# KiCad board pcb.kicad_pcb (continued)
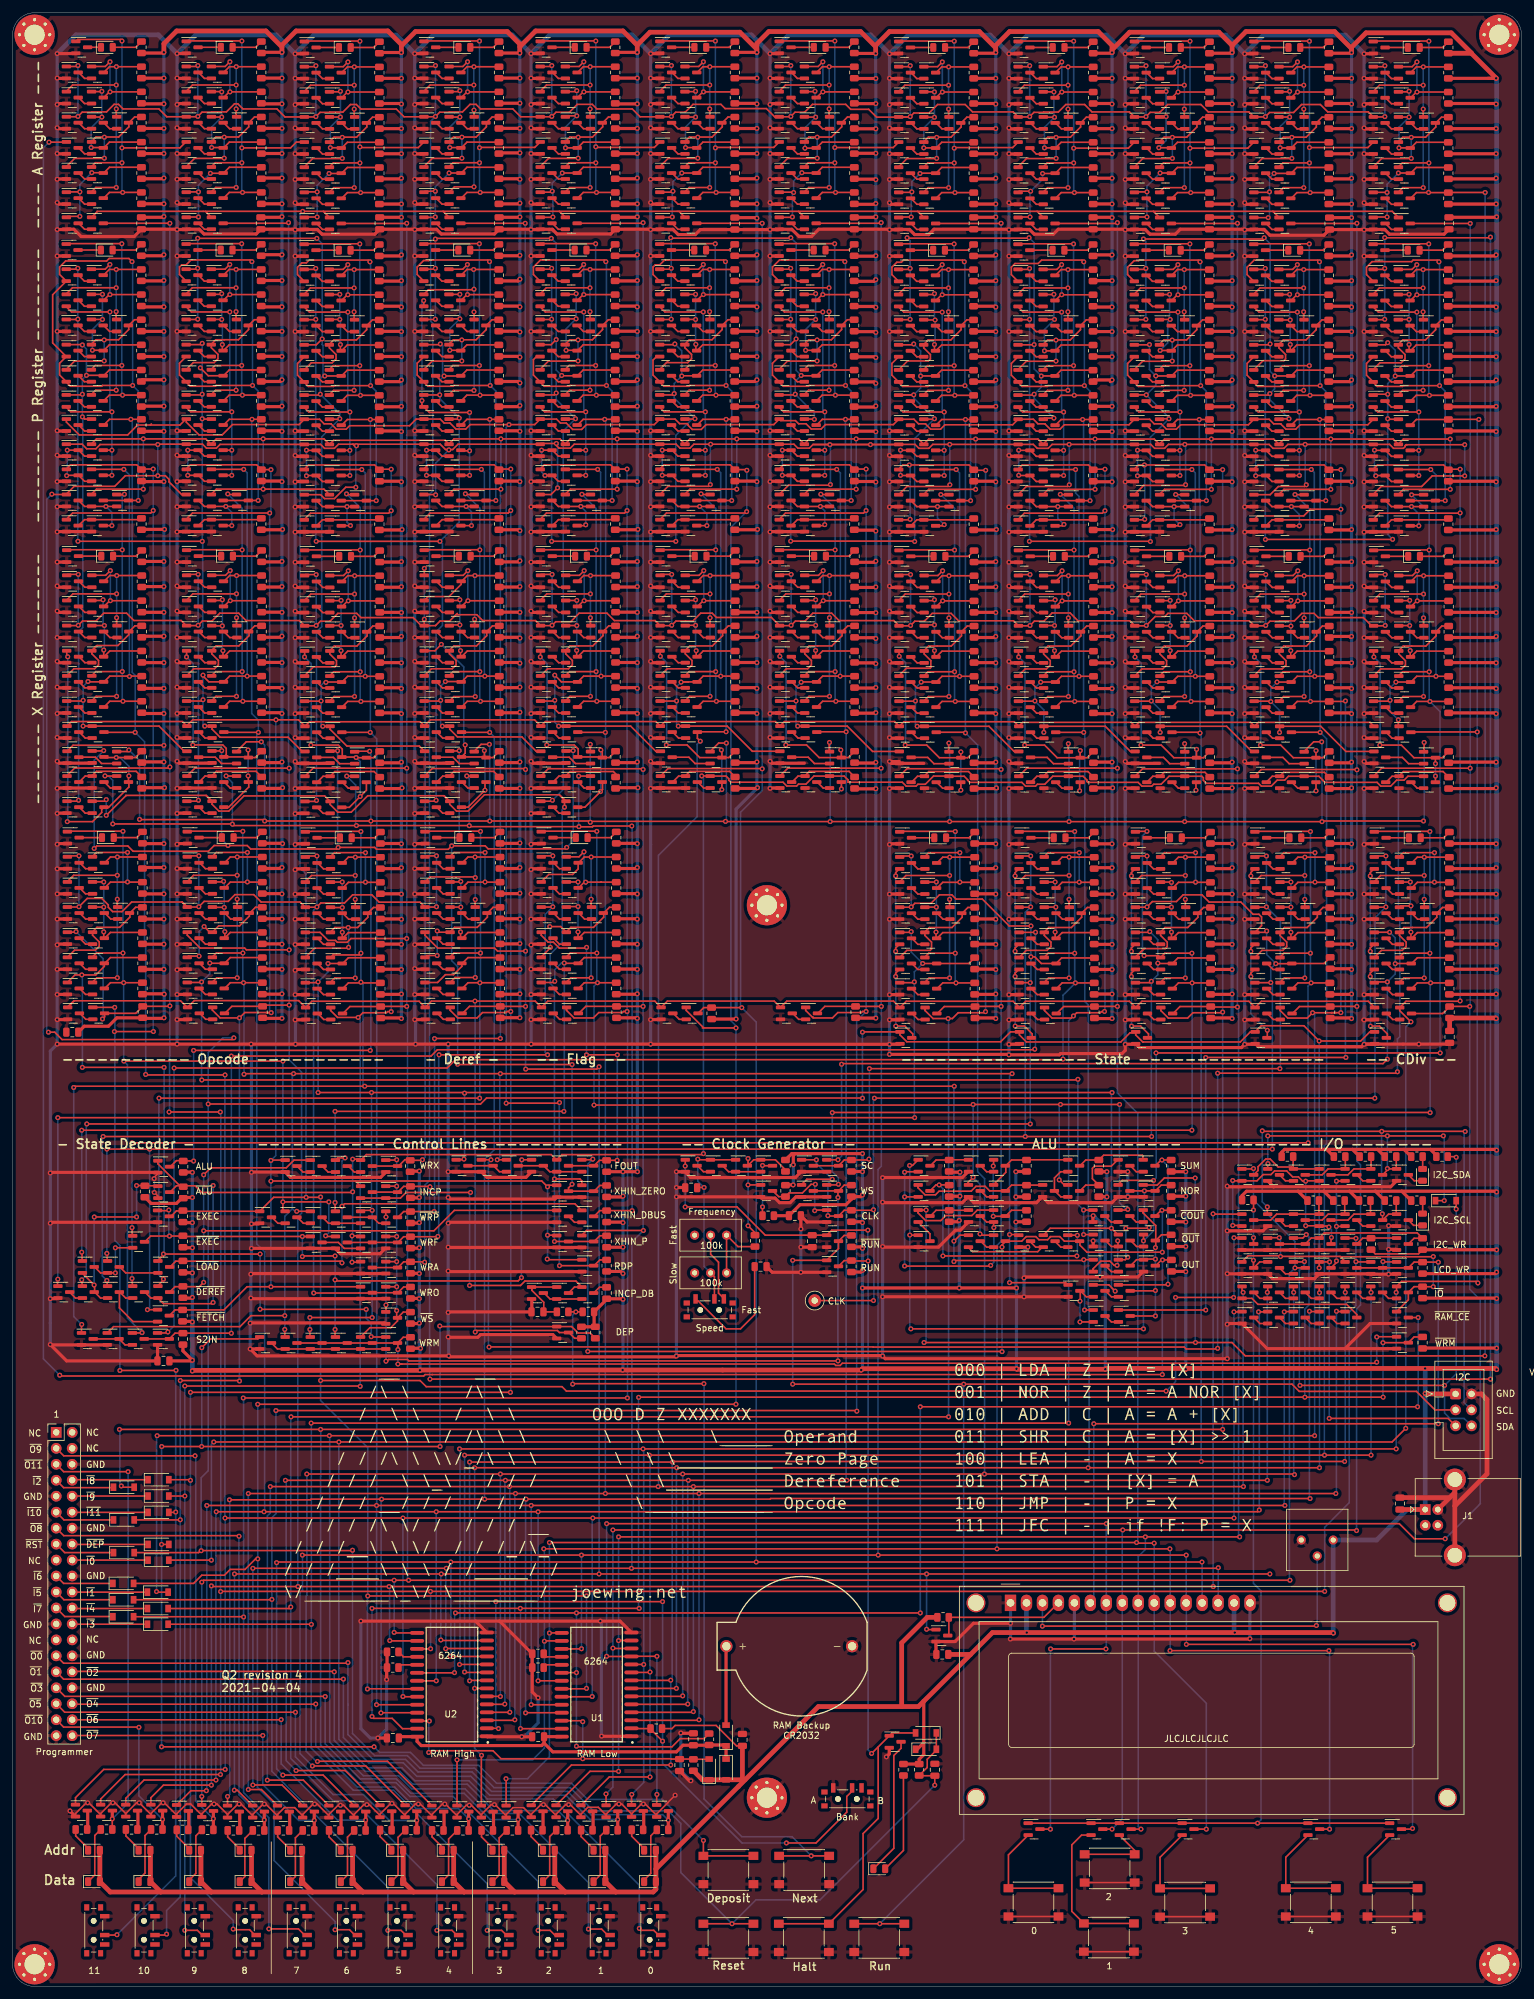
[diagram p0: board, top side]
## Routing (per net, layer and track width the routed paths; a pad name or vN(x,y) marks a point on that pad's centre or on a via; arc(x,y) is an arc through that point) (continued)
  Top w0.25: 142.9,240.4 143.85,239.45 144.9,239.45 ; 144.9,243.45 143.85,243.45 142.9,244.4 ; v1(141.25,240.43) 141.28,240.4 Q232.3 ; v1(141.25,244.43) 141.28,244.4 Q231.3
  Bottom w0.25: v1(141.25,244.43) v1(141.25,240.43)
Net-(Q229-Pad2): length 11.1
  Top w0.25: 148.9,235.45 v1(147.13,235.45) 143.85,235.45 142.9,236.4 ; Q234.3 148.02,232.4 v1(148.2,232.58)
  Bottom w0.25: v1(147.13,235.45) 147.13,233.65 v1(148.2,232.58)
Net-(Q234-Pad1): length 10.2
  Top w0.25: 152.69,233.35 143.85,233.35 142.9,232.4
Net-(Q236-Pad1): length 39.6
  Top w0.25: v1(148.88,266.44) 148.88,265.19 ; 144.88,253.19 145.63,253.94 v1(148.88,253.94) ; 146.88,272.24 147.79,273.15 v1(148.89,273.15) R100.2 ; v1(148.88,270.24) 141.93,270.24 140.88,269.19
  Bottom w0.25: v1(148.88,253.94) v1(148.88,266.44) v1(148.88,270.24) 148.88,273.14 v1(148.89,273.15)
Net-(Q236-Pad2): length 2.4
  Top w0.25: 144.88,251.29 143.83,251.29 142.88,252.24
Net-(Q237-Pad1): length 18.9
  Top w0.25: 146.88,260.24 147.79,261.15 R102.2 ; v1(146.75,265.14) 144.99,265.14 ; v1(146.65,261.24) 146.65,260.41 ; v1(146.65,269.33) 146.51,269.19 Q237.1
  Bottom w0.25: v1(146.65,269.33) 146.65,265.24 v1(146.75,265.14) 146.75,261.34 v1(146.65,261.24)
Net-(Q237-Pad2): length 2.4
  Top w0.25: 142.88,268.24 143.83,267.29 144.88,267.29
Net-(Q237-Pad3): length 14.5
  Top w0.25: v1(147.88,273.94) 147.13,273.19 144.88,273.19 ; R97.2 v1(147.89,269.15) 147.79,269.15 146.88,268.24
  Bottom w0.25: v1(147.88,273.94) 147.88,269.17 v1(147.89,269.15)
Net-(Q241-Pad2): length 2.4
  Top w0.25: 144.88,255.29 143.83,255.29 142.88,256.24
Net-(Q242-Pad2): length 2.4
  Top w0.25: 142.88,272.24 143.83,271.29 144.88,271.29
Net-(Q243-Pad1): length 18.5
  Top w0.25: R101.2 151.79,265.15 150.88,264.24 150.88,263.59 149.25,261.97 145.66,261.97 144.88,261.19 ; Q243.1 142.38,258.63 145.69,258.63 146.01,258.94 146.01,259.64 144.94,260.71 Q248.1
Net-(Q245-Pad2): length 2.4
  Top w0.25: 148.88,263.29 147.83,263.29 146.88,264.24
Net-(Q246-Pad2): length 2.4
  Top w0.25: 142.88,264.24 143.83,263.29 144.88,263.29
Net-(Q248-Pad2): length 2.4
  Top w0.25: 144.88,259.29 143.83,259.29 142.88,260.24
Net-(Q250-Pad2): length 2.4
  Top w0.25: 144.9,279.55 143.85,279.55 142.9,280.5
Net-(Q252-Pad1): length 39.6
  Top w0.25: 146.9,304.5 147.81,305.41 v1(148.91,305.41) R107.2 ; 140.9,301.45 141.95,302.5 v1(148.9,302.5) ; v1(148.9,298.7) 148.9,297.45 ; v1(148.9,286.2) 145.65,286.2 144.9,285.45
  Bottom w0.25: v1(148.9,286.2) v1(148.9,298.7) v1(148.9,302.5) 148.9,305.4 v1(148.91,305.41)
Net-(Q252-Pad2): length 2.4
  Top w0.25: 142.9,284.5 143.85,283.55 144.9,283.55
Net-(Q253-Pad1): length 21.2
  Top w0.25: R109.2 147.81,293.41 146.9,292.5 ; v1(144.95,292.53) 146.81,292.53 ; v1(146.65,301.43) 146.63,301.45 Q253.1 ; v1(146.65,297.4) 145.01,297.4
  Bottom w0.25: v1(144.95,292.53) 144.95,295.7 v1(146.65,297.4) v1(146.65,301.43)
Net-(Q253-Pad2): length 2.4
  Top w0.25: 142.9,300.5 143.85,299.55 144.9,299.55
Net-(Q253-Pad3): length 14.5
  Top w0.25: 146.9,300.5 147.81,301.41 v1(147.91,301.41) R104.2 ; v1(147.9,306.2) 147.15,305.45 144.9,305.45
  Bottom w0.25: v1(147.9,306.2) 147.9,301.42 v1(147.91,301.41)
Net-(Q257-Pad2): length 2.4
  Top w0.25: 144.9,287.55 143.85,287.55 142.9,288.5
Net-(Q258-Pad2): length 2.4
  Top w0.25: 142.9,304.5 143.85,303.55 144.9,303.55
Net-(Q259-Pad1): length 20.1
  Top w0.25: 140.9,289.45 142.27,290.82 146.96,290.82 v1(147,290.86) ; 147.03,294.22 149.28,294.22 150.9,295.85 150.9,296.5 151.81,297.41 R108.2 ; 147.03,294.22 v1(147,294.2) ; 147.03,294.22 145.68,294.22 144.9,293.45
  Bottom w0.25: v1(147,294.2) v1(147,290.86)
Net-(Q261-Pad2): length 2.4
  Top w0.25: 146.9,296.5 147.85,295.55 148.9,295.55
Net-(Q262-Pad2): length 2.4
  Top w0.25: 144.9,295.55 143.85,295.55 142.9,296.5
Net-(Q264-Pad2): length 2.4
  Top w0.25: 142.9,292.5 143.85,291.55 144.9,291.55
Net-(Q266-Pad2): length 2.3
  Top w0.25: 148.9,190.65 147.95,190.65 147,191.6
Net-(Q267-Pad2): length 2.4
  Top w0.25: 143,199.55 143.95,198.6 145,198.6
Net-(Q268-Pad2): length 6.4
  Top w0.25: 143,195.55 145.57,195.55 146.57,194.55 ; 146.54,194.55 148.9,194.55
Net-(Q269-Pad3): length 11
  Top w0.25: 143,191.6 143.95,192.55 145,192.55 145.75,193.29 152.06,193.29 R111.2
Net-(Q273-Pad1): length 39.6
  Top w0.25: v1(148.95,221.54) 142,221.54 140.95,220.49 ; R116.2 v1(148.96,224.45) 147.86,224.45 146.95,223.54 ; 144.95,204.49 145.7,205.24 v1(148.95,205.24) ; v1(148.95,217.74) 148.95,216.49
  Bottom w0.25: v1(148.96,224.45) 148.95,224.44 v1(148.95,221.54) v1(148.95,217.74) v1(148.95,205.24)
Net-(Q273-Pad2): length 2.4
  Top w0.25: 142.95,203.54 143.9,202.59 144.95,202.59
Net-(Q274-Pad1): length 18.8
  Top w0.25: 146.95,211.54 147.86,212.45 R118.2 ; v1(146.65,212.54) 146.65,211.77 Q285.3 ; Q274.1 146.51,220.49 v1(146.65,220.63) ; v1(146.65,216.63) 145.15,216.63
  Bottom w0.25: v1(146.65,220.63) v1(146.65,216.63) v1(146.65,212.54)
Net-(Q274-Pad2): length 2.4
  Top w0.25: 142.95,219.54 143.9,218.59 144.95,218.59
Net-(Q274-Pad3): length 14.5
  Top w0.25: 144.95,224.49 147.2,224.49 v1(147.95,225.24) ; 146.95,219.54 147.86,220.45 v1(147.96,220.45) R113.2
  Bottom w0.25: v1(147.96,220.45) 147.95,220.46 v1(147.95,225.24)
Net-(Q278-Pad2): length 2.4
  Top w0.25: 144.95,206.59 143.9,206.59 142.95,207.54
Net-(Q279-Pad2): length 2.4
  Top w0.25: 144.95,222.59 143.9,222.59 142.95,223.54
Net-(Q280-Pad1): length 18.8
  Top w0.25: 147.08,213.26 145.73,213.26 144.95,212.49 ; 147.08,213.26 149.32,213.26 150.95,214.89 150.95,215.54 151.86,216.45 R117.2 ; 147.08,213.26 147.05,213.24 ; 140.95,208.49 142.19,209.73 145.95,209.73 146.08,209.85 146.08,210.94 145.01,212 Q285.1
Net-(Q282-Pad2): length 2.4
  Top w0.25: 146.95,215.54 147.9,214.59 148.95,214.59
Net-(Q283-Pad2): length 2.4
  Top w0.25: 142.95,215.54 143.9,214.59 144.95,214.59
Net-(Q285-Pad2): length 2.4
  Top w0.25: 142.95,211.54 143.9,210.59 144.95,210.59
Net-(Q287-Pad1): length 39.6
  Top w0.25: 145.06,159.71 145.81,160.46 v1(149.06,160.46) ; v1(149.06,172.96) 149.06,171.71 ; 141.06,175.71 142.11,176.76 v1(149.06,176.76) ; R123.2 v1(149.07,179.67) 147.97,179.67 147.06,178.76
  Bottom w0.25: v1(149.07,179.67) 149.06,179.66 v1(149.06,176.76) v1(149.06,172.96) v1(149.06,160.46)
Net-(Q287-Pad2): length 2.4
  Top w0.25: 145.06,157.81 144.01,157.81 143.06,158.76
Net-(Q288-Pad1): length 18.9
  Top w0.25: 147.06,166.76 147.97,167.67 R125.2 ; Q288.1 146.93,175.71 v1(146.95,175.73) ; v1(146.95,171.73) 145.14,171.73 ; v1(146.9,167.76) 146.9,166.85
  Bottom w0.25: v1(146.95,175.73) v1(146.95,171.73) 146.95,167.81 v1(146.9,167.76)
Net-(Q288-Pad2): length 2.4
  Top w0.25: 143.06,174.76 144.01,173.81 145.06,173.81
Net-(Q288-Pad3): length 17.1
  Top w0.25: 150.67,175.67 150.67,175.68 v1(150.69,175.7) 150.66,175.7 150.63,175.67 ; 150.67,175.67 R120.2 ; 150.67,175.67 150.63,175.67 ; 147.06,174.76 147.97,175.67 150.63,175.67 ; v1(150.69,180.39) 145.75,180.39 145.06,179.71
  Bottom w0.25: v1(150.69,175.7) v1(150.69,180.39)
Net-(Q292-Pad2): length 2.4
  Top w0.25: 145.06,161.81 144.01,161.81 143.06,162.76
Net-(Q293-Pad2): length 2.4
  Top w0.25: 143.06,178.76 144.01,177.81 145.06,177.81
Net-(Q294-Pad1): length 18.7
  Top w0.25: 145.06,167.71 145.84,168.48 149.44,168.48 151.06,170.11 151.06,170.76 151.97,171.67 R124.2 ; Q294.1 142.26,164.84 145.97,164.84 146.19,165.06 146.19,166.16 145.12,167.22 Q299.1
Net-(Q296-Pad2): length 2.4
  Top w0.25: 149.06,169.81 148.01,169.81 147.06,170.76
Net-(Q297-Pad2): length 2.4
  Top w0.25: 143.06,170.76 144.01,169.81 145.06,169.81
Net-(Q299-Pad2): length 2.4
  Top w0.25: 143.06,166.76 144.01,165.81 145.06,165.81
Net-(Q303-Pad2): length 6.4
  Top w0.25: 112.95,130.58 113.9,129.63 118.95,129.63
Net-(Q303-Pad3): length 22.4
  Top w0.25: 118.2,119.83 v1(117,121.03) ; v1(117,131.73) 117,130.63 ; Q304.1 121.35,131.53 122.95,129.92 ; 118.95,131.53 117.9,131.53 116.95,130.58 ; v1(117,127.53) 118.95,127.53
  Bottom w0.25: v1(117,121.03) v1(117,127.53) v1(117,131.73)
Net-(Q304-Pad3): length 9.6
  Top w0.25: Q304.3 119.35,130.58 v1(119.3,130.63) ; v1(119.3,124.03) 119.29,124.01 R132.1
  Bottom w0.25: v1(119.3,130.63) v1(119.3,124.03)
Net-(Q305-Pad3): length 14.1
  Top w0.25: v1(127.6,123.43) 127.7,123.53 129.45,123.53 ; 120.95,126.58 121.86,125.66 R129.2 123.54,126.25 125.65,126.25 127.02,127.63 v1(127.7,127.63)
  Bottom w0.25: v1(127.6,123.43) 127.6,127.53 v1(127.7,127.63)
Net-(Q307-Pad2): length 2.4
  Top w0.25: 110.95,129.63 109.9,129.63 108.95,130.58
Net-(Q314-Pad2): length 2.4
  Top w0.25: 48.55,154.8 49.5,153.85 50.55,153.85
Net-(Q316-Pad2): length 2.4
  Top w0.25: 48.35,248.4 49.3,247.45 50.35,247.45
Net-(Q318-Pad2): length 12
  Top w0.25: 48.35,244.4 49.3,243.45 50.35,243.45 ; 48.35,240.4 49.3,239.45 50.35,239.45 ; Q323.3 46.8,240.4 v1(46.75,240.35) ; Q322.3 46.78,244.4 v1(46.75,244.43)
  Bottom w0.25: v1(46.75,240.35) v1(46.75,244.43)
Net-(Q320-Pad2): length 11
  Top w0.25: 48.35,236.4 49.3,235.45 v1(53.2,235.45) 54.35,235.45 ; v1(53.75,232.43) 52.38,232.43
  Bottom w0.25: v1(53.75,232.43) 53.2,232.98 v1(53.2,235.45)
Net-(Q325-Pad1): length 10.2
  Top w0.25: 48.35,232.4 49.3,233.35 58.14,233.35
Net-(Q327-Pad1): length 39.6
  Top w0.25: 52.33,272.24 53.24,273.15 v1(54.34,273.15) R144.2 ; v1(54.33,253.94) 51.08,253.94 50.33,253.19 ; v1(54.33,266.44) 54.33,265.19 ; 46.33,269.19 47.38,270.24 v1(54.33,270.24)
  Bottom w0.25: v1(54.33,253.94) v1(54.33,266.44) v1(54.33,270.24) 54.33,273.14 v1(54.34,273.15)
Net-(Q327-Pad2): length 2.4
  Top w0.25: 48.33,252.24 49.28,251.29 50.33,251.29
Net-(Q328-Pad1): length 18.6
  Top w0.25: 52.33,260.24 53.24,261.15 R146.2 ; v1(52.05,265.23) 50.43,265.23 ; v1(52.05,269.23) 52.02,269.19 Q328.1 ; v1(52.15,261.23) 52.15,260.36
  Bottom w0.25: v1(52.15,261.23) 52.15,265.13 v1(52.05,265.23) v1(52.05,269.23)
Net-(Q328-Pad2): length 2.4
  Top w0.25: 48.33,268.24 49.28,267.29 50.33,267.29
Net-(Q328-Pad3): length 14.5
  Top w0.25: 52.33,268.24 53.24,269.15 v1(53.34,269.15) R141.2 ; v1(53.33,273.94) 52.58,273.19 50.33,273.19
  Bottom w0.25: v1(53.33,273.94) 53.33,269.17 v1(53.34,269.15)
Net-(Q332-Pad2): length 2.4
  Top w0.25: 48.33,256.24 49.28,255.29 50.33,255.29
Net-(Q333-Pad2): length 2.4
  Top w0.25: 48.33,272.24 49.28,271.29 50.33,271.29
Net-(Q334-Pad1): length 18.5
  Top w0.25: R145.2 57.24,265.15 56.33,264.24 56.33,263.59 54.7,261.97 51.11,261.97 50.33,261.19 ; Q339.1 50.39,260.71 51.46,259.64 51.46,258.94 50.84,258.33 47.53,258.33 Q334.1
Net-(Q336-Pad2): length 2.4
  Top w0.25: 52.33,264.24 53.28,263.29 54.33,263.29
Net-(Q337-Pad2): length 2.4
  Top w0.25: 48.33,264.24 49.28,263.29 50.33,263.29
Net-(Q339-Pad2): length 2.4
  Top w0.25: 48.33,260.24 49.28,259.29 50.33,259.29
Net-(Q341-Pad2): length 2.4
  Top w0.25: 48.35,280.5 49.3,279.55 50.35,279.55
Net-(Q343-Pad1): length 39.6
  Top w0.25: 52.35,304.5 53.26,305.41 v1(54.36,305.41) R151.2 ; v1(54.35,286.2) 51.1,286.2 50.35,285.45 ; v1(54.35,298.7) 54.35,297.45 ; 46.35,301.45 47.4,302.5 v1(54.35,302.5)
  Bottom w0.25: v1(54.35,286.2) v1(54.35,298.7) v1(54.35,302.5) 54.35,305.4 v1(54.36,305.41)
Net-(Q343-Pad2): length 2.4
  Top w0.25: 48.35,284.5 49.3,283.55 50.35,283.55
Net-(Q344-Pad1): length 21.2
  Top w0.25: 52.35,292.5 53.26,293.41 R153.2 ; v1(52.15,297.43) 50.43,297.43 ; Q344.1 52.07,301.45 v1(52.15,301.53) ; v1(50.55,292.55) 52.24,292.55
  Bottom w0.25: v1(52.15,301.53) v1(52.15,297.43) 50.55,295.83 v1(50.55,292.55)
Net-(Q344-Pad2): length 2.4
  Top w0.25: 48.35,300.5 49.3,299.55 50.35,299.55
Net-(Q344-Pad3): length 14.5
  Top w0.25: 52.35,300.5 53.26,301.41 v1(53.36,301.41) R148.2 ; v1(53.35,306.2) 52.6,305.45 50.35,305.45
  Bottom w0.25: v1(53.35,306.2) 53.35,301.42 v1(53.36,301.41)
Net-(Q348-Pad2): length 2.4
  Top w0.25: 48.35,288.5 49.3,287.55 50.35,287.55
Net-(Q349-Pad2): length 2.4
  Top w0.25: 48.35,304.5 49.3,303.55 50.35,303.55
Net-(Q350-Pad1): length 20.1
  Top w0.25: R152.2 57.26,297.41 56.35,296.5 56.35,295.85 54.72,294.22 52.48,294.22 ; 50.35,293.45 51.13,294.22 52.48,294.22 ; 52.48,294.22 v1(52.45,294.2) ; 46.35,289.45 47.72,290.82 52.41,290.82 v1(52.45,290.86)
  Bottom w0.25: v1(52.45,294.2) v1(52.45,290.86)
Net-(Q352-Pad2): length 2.4
  Top w0.25: 52.35,296.5 53.3,295.55 54.35,295.55
Net-(Q353-Pad2): length 2.4
  Top w0.25: 48.35,296.5 49.3,295.55 50.35,295.55
Net-(Q355-Pad2): length 2.4
  Top w0.25: 48.35,292.5 49.3,291.55 50.35,291.55
Net-(Q357-Pad2): length 2.3
  Top w0.25: 52.45,191.6 53.4,190.65 54.35,190.65
Net-(Q358-Pad2): length 2.4
  Top w0.25: 48.45,199.55 49.4,198.6 50.45,198.6
Net-(Q359-Pad2): length 2.4
  Top w0.25: 48.45,187.6 49.4,186.65 50.45,186.65
Net-(Q360-Pad2): length 6.4
  Top w0.25: 51.99,194.55 54.35,194.55 ; 52.03,194.55 51.03,195.55 48.45,195.55
Net-(Q362-Pad1): length 11
  Top w0.25: 48.45,191.6 49.4,192.55 50.45,192.55 ; Q362.1 51.26,193.29 57.51,193.29 R155.2
Net-(Q367-Pad1): length 39.6
  Top w0.25: 52.4,223.54 53.31,224.45 v1(54.41,224.45) R160.2 ; v1(54.4,205.24) 51.15,205.24 50.4,204.49 ; v1(54.4,217.74) 54.4,216.49 ; 46.4,220.49 47.45,221.54 v1(54.4,221.54)
  Bottom w0.25: v1(54.4,205.24) v1(54.4,217.74) v1(54.4,221.54) 54.4,224.44 v1(54.41,224.45)
Net-(Q367-Pad2): length 2.4
  Top w0.25: 48.4,203.54 49.35,202.59 50.4,202.59
Net-(Q368-Pad1): length 18.8
  Top w0.25: 52.4,211.54 53.31,212.45 R162.2 ; v1(52.25,212.53) 52.25,211.62 ; Q368.1 52.21,220.49 v1(52.25,220.53) ; v1(52.25,216.53) 50.5,216.53
  Bottom w0.25: v1(52.25,212.53) v1(52.25,216.53) v1(52.25,220.53)
Net-(Q368-Pad2): length 2.4
  Top w0.25: 48.4,219.54 49.35,218.59 50.4,218.59
Net-(Q368-Pad3): length 14.5
  Top w0.25: 52.4,219.54 53.31,220.45 v1(53.41,220.45) R157.2 ; v1(53.4,225.24) 52.65,224.49 50.4,224.49
  Bottom w0.25: v1(53.4,225.24) 53.4,220.46 v1(53.41,220.45)
Net-(Q372-Pad2): length 2.4
  Top w0.25: 48.4,207.54 49.35,206.59 50.4,206.59
Net-(Q373-Pad2): length 2.4
  Top w0.25: 48.4,223.54 49.35,222.59 50.4,222.59
Net-(Q374-Pad1): length 18.6
  Top w0.25: R161.2 57.31,216.45 56.4,215.54 56.4,214.89 54.78,213.26 51.18,213.26 50.4,212.49 ; 46.4,208.49 47.87,209.96 51.25,209.96 51.53,210.24 51.53,210.94 50.46,212 Q379.1
Net-(Q376-Pad2): length 2.4
  Top w0.25: 52.4,215.54 53.35,214.59 54.4,214.59
Net-(Q377-Pad2): length 2.4
  Top w0.25: 48.4,215.54 49.35,214.59 50.4,214.59
Net-(Q379-Pad2): length 2.4
  Top w0.25: 48.4,211.54 49.35,210.59 50.4,210.59
Net-(Q381-Pad1): length 39.6
  Top w0.25: 52.51,178.76 53.42,179.67 v1(54.52,179.67) R167.2 ; v1(54.51,160.46) 51.26,160.46 50.51,159.71 ; v1(54.51,172.96) 54.51,171.71 ; 46.51,175.71 47.56,176.76 v1(54.51,176.76)
  Bottom w0.25: v1(54.51,160.46) v1(54.51,172.96) v1(54.51,176.76) 54.51,179.66 v1(54.52,179.67)
Net-(Q381-Pad2): length 2.4
  Top w0.25: 48.51,158.76 49.46,157.81 50.51,157.81
Net-(Q382-Pad1): length 19.1
  Top w0.25: 52.51,166.76 53.42,167.67 R169.2 ; Q382.1 52.43,175.71 v1(52.45,175.73) ; v1(52.45,171.66) 50.62,171.66 ; v1(52.45,167.73) 52.45,166.76
  Bottom w0.25: v1(52.45,175.73) v1(52.45,171.66) v1(52.45,167.73)
Net-(Q382-Pad2): length 2.4
  Top w0.25: 48.51,174.76 49.46,173.81 50.51,173.81
Net-(Q382-Pad3): length 17.1
  Top w0.25: 52.51,174.76 53.42,175.67 56.08,175.67 ; 56.12,175.67 56.12,175.68 v1(56.14,175.7) 56.11,175.7 56.08,175.67 ; 56.12,175.67 R164.2 ; 56.12,175.67 56.08,175.67 ; 50.51,179.71 51.2,180.39 v1(56.14,180.39)
  Bottom w0.25: v1(56.14,175.7) v1(56.14,180.39)
Net-(Q386-Pad2): length 2.4
  Top w0.25: 48.51,162.76 49.46,161.81 50.51,161.81
Net-(Q387-Pad2): length 2.4
  Top w0.25: 48.51,178.76 49.46,177.81 50.51,177.81
Net-(Q388-Pad1): length 20.8
  Top w0.25: R168.2 57.42,171.67 56.51,170.76 56.51,170.11 54.89,168.48 v1(53.39,168.48) 52.64,168.48 ; 50.51,167.71 51.29,168.48 52.64,168.48 ; 52.64,168.48 52.61,168.46 ; v1(53.45,165.33) 53.3,165.18 48.05,165.18 Q388.1
  Bottom w0.25: v1(53.45,165.33) 53.45,168.43 v1(53.39,168.48)
Net-(Q390-Pad2): length 2.4
  Top w0.25: 52.51,170.76 53.46,169.81 54.51,169.81
Net-(Q391-Pad2): length 2.4
  Top w0.25: 48.51,170.76 49.46,169.81 50.51,169.81
Net-(Q393-Pad2): length 2.4
  Top w0.25: 48.51,166.76 49.46,165.81 50.51,165.81
Net-(Q395-Pad2): length 2.4
  Top w0.25: 164.1,153.85 163.05,153.85 162.1,154.8
Net-(Q398-Pad2): length 2.4
  Top w0.25: 161.9,248.4 162.85,247.45 163.9,247.45
Net-(Q400-Pad2): length 12.4
  Top w0.25: 163.9,239.45 162.85,239.45 161.9,240.4 ; 163.9,243.45 162.85,243.45 161.9,244.4 ; v1(160.05,240.43) 160.08,240.4 Q405.3 ; v1(160.05,244.43) 160.08,244.4 Q404.3
  Bottom w0.25: v1(160.05,240.43) v1(160.05,244.43)
Net-(Q402-Pad2): length 11.1
  Top w0.25: 167.9,235.45 v1(166.27,235.45) 162.85,235.45 161.9,236.4 ; 165.9,232.4 167.02,232.4 167.25,232.62 v1(167.25,232.62)
  Bottom w0.25: v1(166.27,235.45) 166.27,233.6 v1(167.25,232.62)
Net-(Q407-Pad1): length 10.2
  Top w0.25: 171.69,233.35 162.85,233.35 161.9,232.4
Net-(Q409-Pad1): length 39.6
  Top w0.25: v1(167.88,270.24) 160.93,270.24 159.88,269.19 ; R178.2 v1(167.89,273.15) 166.79,273.15 165.88,272.24 ; 163.88,253.19 164.63,253.94 v1(167.88,253.94) ; v1(167.88,266.44) 167.88,265.19
  Bottom w0.25: v1(167.89,273.15) 167.88,273.14 v1(167.88,270.24) v1(167.88,266.44) v1(167.88,253.94)
Net-(Q409-Pad2): length 2.4
  Top w0.25: 163.88,251.29 162.83,251.29 161.88,252.24
Net-(Q410-Pad1): length 21.2
  Top w0.25: 165.88,260.24 166.79,261.15 R180.2 ; Q410.1 165.62,269.19 v1(165.65,269.23) ; v1(164.15,260.23) 165.8,260.23 ; v1(165.75,265.23) 163.98,265.23
  Bottom w0.25: v1(164.15,260.23) 164.15,263.63 v1(165.75,265.23) 165.65,265.33 v1(165.65,269.23)
Net-(Q410-Pad2): length 2.4
  Top w0.25: 163.88,267.29 162.83,267.29 161.88,268.24
Net-(Q410-Pad3): length 14.5
  Top w0.25: v1(166.88,273.94) 166.13,273.19 163.88,273.19 ; R175.2 v1(166.89,269.15) 166.79,269.15 165.88,268.24
  Bottom w0.25: v1(166.88,273.94) 166.88,269.17 v1(166.89,269.15)
Net-(Q414-Pad2): length 2.4
  Top w0.25: 161.88,256.24 162.83,255.29 163.88,255.29
Net-(Q415-Pad2): length 2.4
  Top w0.25: 163.88,271.29 162.83,271.29 161.88,272.24
Net-(Q416-Pad1): length 20.1
  Top w0.25: R179.2 170.79,265.15 169.88,264.24 169.88,263.59 168.25,261.97 166.01,261.97 ; v1(165.98,258.6) 165.94,258.57 161.25,258.57 159.88,257.19 ; 166.01,261.97 v1(165.98,261.94) ; 166.01,261.97 164.66,261.97 163.88,261.19
  Bottom w0.25: v1(165.98,261.94) v1(165.98,258.6)
Net-(Q418-Pad2): length 2.4
  Top w0.25: 167.88,263.29 166.83,263.29 165.88,264.24
Net-(Q419-Pad2): length 2.4
  Top w0.25: 163.88,263.29 162.83,263.29 161.88,264.24
Net-(Q421-Pad2): length 2.4
  Top w0.25: 161.88,260.24 162.83,259.29 163.88,259.29
Net-(Q423-Pad2): length 2.4
  Top w0.25: 163.9,279.55 162.85,279.55 161.9,280.5
Net-(Q425-Pad1): length 39.6
  Top w0.25: 159.9,301.45 160.95,302.5 v1(167.9,302.5) ; v1(167.9,298.7) 167.9,297.45 ; v1(167.9,286.2) 164.65,286.2 163.9,285.45 ; R185.2 v1(167.91,305.41) 166.81,305.41 165.9,304.5
  Bottom w0.25: v1(167.91,305.41) 167.9,305.4 v1(167.9,302.5) v1(167.9,298.7) v1(167.9,286.2)
Net-(Q425-Pad2): length 2.4
  Top w0.25: 163.9,283.55 162.85,283.55 161.9,284.5
Net-(Q426-Pad1): length 21.1
  Top w0.25: R187.2 166.81,293.41 165.9,292.5 ; v1(165.65,301.43) 165.63,301.45 Q426.1 ; v1(164.15,292.53) 165.81,292.53 ; v1(165.75,297.4) 164.01,297.4
  Bottom w0.25: v1(165.65,301.43) 165.65,297.5 v1(165.75,297.4) 164.15,295.8 v1(164.15,292.53)
Net-(Q426-Pad2): length 2.4
  Top w0.25: 163.9,299.55 162.85,299.55 161.9,300.5
Net-(Q426-Pad3): length 14.5
  Top w0.25: 163.9,305.45 166.15,305.45 v1(166.9,306.2) ; 165.9,300.5 166.81,301.41 v1(166.91,301.41) R182.2
  Bottom w0.25: v1(166.9,306.2) 166.9,301.42 v1(166.91,301.41)
Net-(Q430-Pad2): length 2.4
  Top w0.25: 163.9,287.55 162.85,287.55 161.9,288.5
Net-(Q431-Pad2): length 2.4
  Top w0.25: 163.9,303.55 162.85,303.55 161.9,304.5
Net-(Q432-Pad1): length 20.1
  Top w0.25: 166.03,294.22 168.28,294.22 169.9,295.85 169.9,296.5 170.81,297.41 R186.2 ; 166.03,294.22 164.68,294.22 163.9,293.45 ; 166.03,294.22 v1(166,294.2) ; v1(166,290.86) 165.96,290.82 161.27,290.82 159.9,289.45
  Bottom w0.25: v1(166,294.2) v1(166,290.86)
Net-(Q434-Pad2): length 2.4
  Top w0.25: 165.9,296.5 166.85,295.55 167.9,295.55
Net-(Q435-Pad2): length 2.4
  Top w0.25: 161.9,296.5 162.85,295.55 163.9,295.55
Net-(Q437-Pad2): length 2.4
  Top w0.25: 163.9,291.55 162.85,291.55 161.9,292.5
Net-(Q439-Pad2): length 2.3
  Top w0.25: 166,191.6 166.95,190.65 167.9,190.65
Net-(Q440-Pad2): length 2.4
  Top w0.25: 164,198.6 162.95,198.6 162,199.55
Net-(Q441-Pad2): length 6.4
  Top w0.25: 162,195.55 164.58,195.55 165.58,194.55 Q441.2
Net-(Q442-Pad3): length 11
  Top w0.25: R189.2 171.06,193.29 164.75,193.29 164,192.55 162.95,192.55 162,191.6
Net-(Q446-Pad1): length 39.6
  Top w0.25: v1(167.95,221.54) 161,221.54 159.95,220.49 ; v1(167.95,217.74) 167.95,216.49 ; R194.2 v1(167.96,224.45) 166.86,224.45 165.95,223.54 ; 163.95,204.49 164.7,205.24 v1(167.95,205.24)
  Bottom w0.25: v1(167.96,224.45) 167.95,224.44 v1(167.95,221.54) v1(167.95,217.74) v1(167.95,205.24)
Net-(Q446-Pad2): length 2.4
  Top w0.25: 163.95,202.59 162.9,202.59 161.95,203.54
Net-(Q447-Pad1): length 19
  Top w0.25: 165.95,211.54 166.86,212.45 R196.2 ; Q447.1 165.71,220.49 v1(165.85,220.63) ; v1(165.75,212.53) 165.75,211.67 ; v1(165.75,216.53) 164.05,216.53
  Bottom w0.25: v1(165.75,212.53) v1(165.75,216.53) 165.85,216.63 v1(165.85,220.63)
Net-(Q447-Pad2): length 2.4
  Top w0.25: 163.95,218.59 162.9,218.59 161.95,219.54
Net-(Q447-Pad3): length 14.5
  Top w0.25: R191.2 v1(166.96,220.45) 166.86,220.45 165.95,219.54 ; 163.95,224.49 166.2,224.49 v1(166.95,225.24)
  Bottom w0.25: v1(166.96,220.45) 166.95,220.46 v1(166.95,225.24)
Net-(Q451-Pad2): length 2.4
  Top w0.25: 163.95,206.59 162.9,206.59 161.95,207.54
Net-(Q452-Pad2): length 2.4
  Top w0.25: 161.95,223.54 162.9,222.59 163.95,222.59
Net-(Q453-Pad1): length 18.6
  Top w0.25: 163.95,212.49 164.73,213.26 168.32,213.26 169.95,214.89 169.95,215.54 170.86,216.45 R195.2 ; 159.95,208.49 161.09,209.62 164.46,209.62 165.08,210.24 165.08,210.94 164.01,212 Q458.1
Net-(Q455-Pad2): length 2.4
  Top w0.25: 167.95,214.59 166.9,214.59 165.95,215.54
Net-(Q456-Pad2): length 2.4
  Top w0.25: 161.95,215.54 162.9,214.59 163.95,214.59
Net-(Q458-Pad2): length 2.4
  Top w0.25: 161.95,211.54 162.9,210.59 163.95,210.59
Net-(Q460-Pad1): length 39.6
  Top w0.25: R201.2 v1(168.07,179.67) 166.97,179.67 166.06,178.76 ; v1(168.06,176.76) 161.11,176.76 160.06,175.71 ; 164.06,159.71 164.81,160.46 v1(168.06,160.46) ; v1(168.06,172.96) 168.06,171.71
  Bottom w0.25: v1(168.06,160.46) v1(168.06,172.96) v1(168.06,176.76) 168.06,179.66 v1(168.07,179.67)
Net-(Q460-Pad2): length 2.4
  Top w0.25: 162.06,158.76 163.01,157.81 164.06,157.81
Net-(Q461-Pad1): length 18.8
  Top w0.25: 166.06,166.76 166.97,167.67 R203.2 ; v1(165.85,167.76) 165.85,166.9 ; v1(165.95,171.73) 164.14,171.73 ; Q461.1 165.83,175.71 v1(165.85,175.73)
  Bottom w0.25: v1(165.85,167.76) 165.95,167.86 v1(165.95,171.73) 165.85,171.83 v1(165.85,175.73)
Net-(Q461-Pad2): length 2.4
  Top w0.25: 162.06,174.76 163.01,173.81 164.06,173.81
Net-(Q461-Pad3): length 17.1
  Top w0.25: 164.06,179.71 164.75,180.39 v1(169.69,180.39) ; 169.63,175.67 166.97,175.67 166.06,174.76 ; 169.63,175.67 169.66,175.7 v1(169.69,175.7) 169.67,175.68 169.67,175.67 ; 169.63,175.67 169.67,175.67 ; R198.2 169.67,175.67
  Bottom w0.25: v1(169.69,175.7) v1(169.69,180.39)
Net-(Q465-Pad2): length 2.4
  Top w0.25: 164.06,161.81 163.01,161.81 162.06,162.76
Net-(Q466-Pad2): length 2.4
  Top w0.25: 164.06,177.81 163.01,177.81 162.06,178.76
Net-(Q467-Pad1): length 18.5
  Top w0.25: R202.2 170.97,171.67 170.06,170.76 170.06,170.11 168.44,168.48 164.84,168.48 164.06,167.71 ; Q472.1 164.12,167.22 165.19,166.16 165.19,165.46 164.57,164.84 161.26,164.84 Q467.1
Net-(Q469-Pad2): length 2.4
  Top w0.25: 168.06,169.81 167.01,169.81 166.06,170.76
Net-(Q470-Pad2): length 2.4
  Top w0.25: 164.06,169.81 163.01,169.81 162.06,170.76
Net-(Q472-Pad2): length 2.4
  Top w0.25: 162.06,166.76 163.01,165.81 164.06,165.81
Net-(Q474-Pad2): length 42.6
  Top w0.25: 156,121.63 154.95,121.63 154,122.58 ; v1(141.9,114.63) 141.93,114.6 155.47,114.6 v1(155.6,114.73) ; v1(156.1,120.73) 156.06,120.76 Q474.2 ; v1(141.9,125.63) Q482.2 ; v1(141.9,129.55) 141.98,129.63 Q480.2
  Bottom w0.25: v1(155.6,114.73) 156.1,115.23 v1(156.1,120.73) ; v1(141.9,114.63) v1(141.9,125.63) v1(141.9,129.55)
Net-(Q474-Pad3): length 14.6
  Top w0.25: R204.2 158.91,123.49 158,122.58 ; v1(156,130.53) 156.06,130.59 Q477.1 ; v1(156,122.53) 157.89,122.53
  Bottom w0.25: v1(156,130.53) v1(156,122.53)
Net-(Q475-Pad1): length 6.3
  Top w0.25: 151.96,123.49 146.91,123.49 146,122.58
Net-(Q476-Pad2): length 3.8
  Top w0.25: Q478.3 145.94,119.75 Q476.2
Net-(Q477-Pad2): length 2.4
  Top w0.25: 156,129.63 154.95,129.63 154,130.58
Net-(Q477-Pad3): length 14.1
  Top w0.25: 156,127.53 158,129.53 158,130.58 158.91,131.49 R206.2 ; Q481.1 161.34,131.53
Net-(Q479-Pad1): length 6.3
  Top w0.25: 146,130.58 146.91,131.49 R207.2 ; 152,131.53 149.04,131.53
Net-(Q481-Pad2): length 7
  Top w0.25: Q499.3 165.74,128.64 166.73,129.63 Q481.2 ; 167.8,125.63 166.75,125.63 165.8,126.58
Net-(Q481-Pad3): length 11.4
  Top w0.25: 169.8,130.58 170.71,131.49 R208.2 173.56,132.25 179.72,132.25 179.8,132.18 179.8,131.53
